# Altium PCB NC1-1B-BASIS.PcbDoc (part 3 of 3)
Units mm, origin at the board's own origin, x right, y up, seen from the top; angles counter-clockwise.
Board outline 78 x 78 mm, 4 copper layers (Top Layer, Mid 1 (GND), Mid 2 (PWR), Bottom Layer), stack 1.586 mm thick; 290 components, 134 nets, 819 pads, 380 vias.
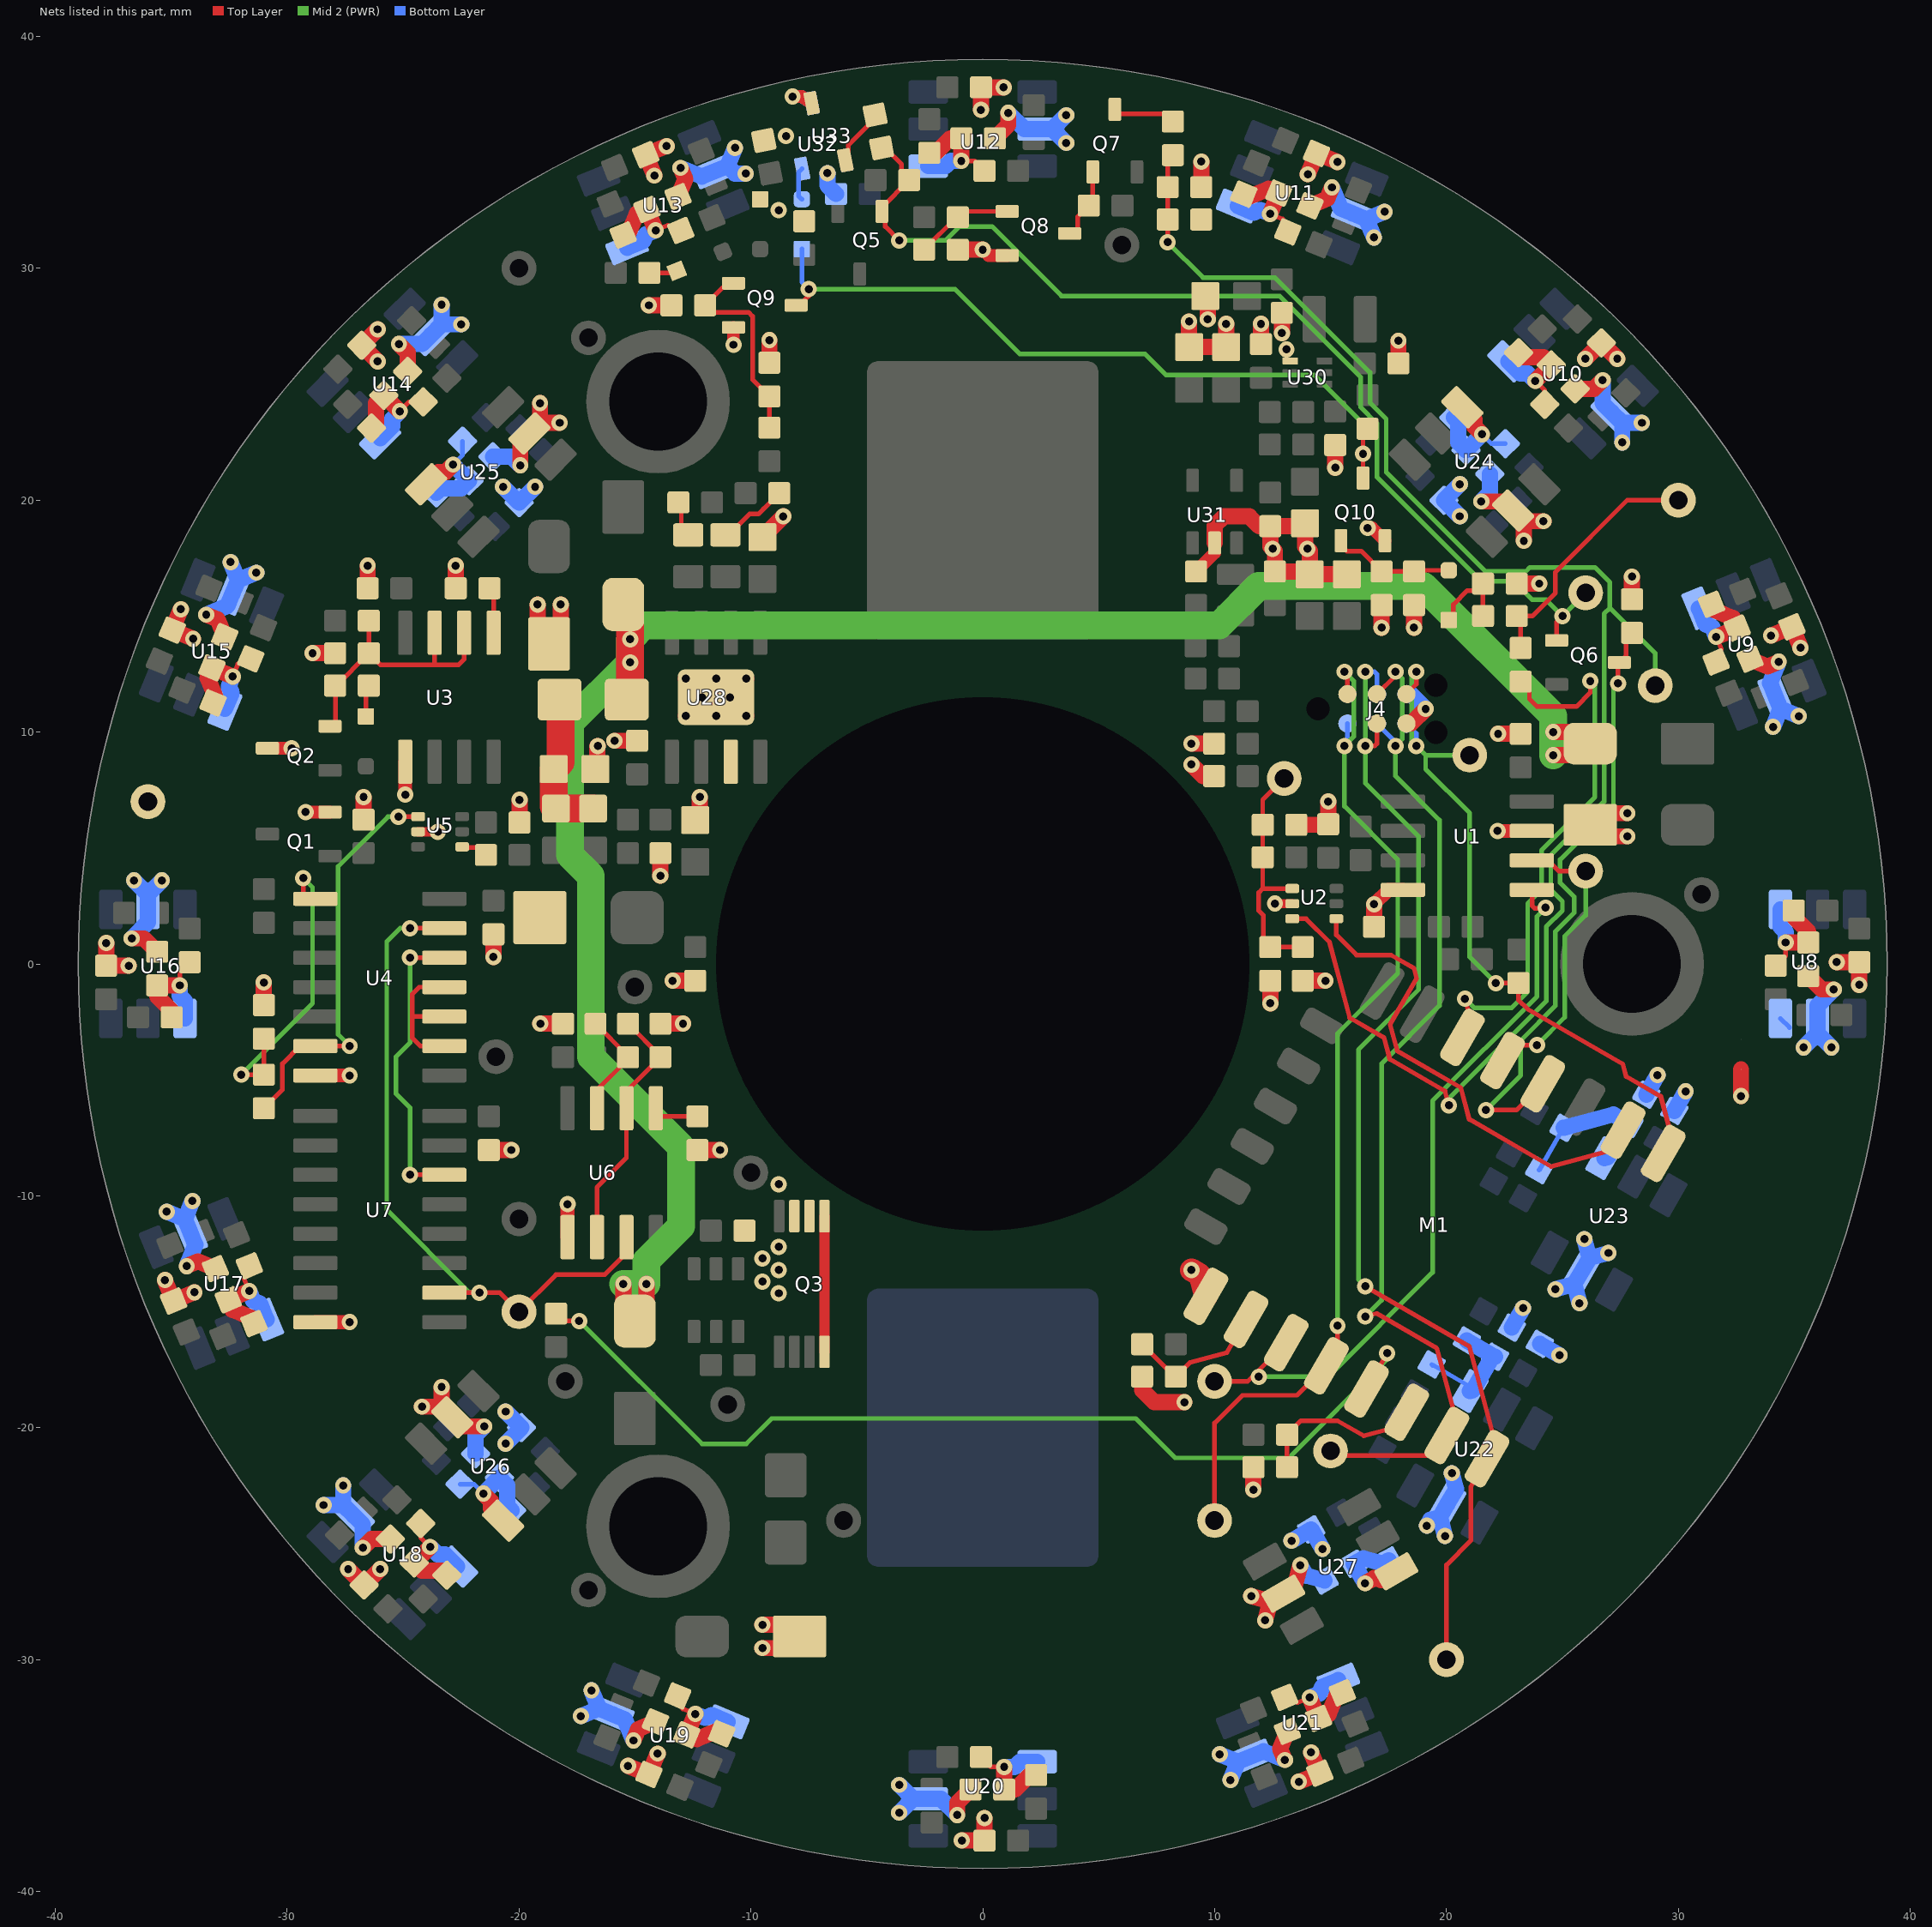
[diagram p5: the nets of this part, all layers, seen from the top]

## Via types
v1: diameter 0.7, hole 0.35, Top Layer to Bottom Layer, tented both sides, 372 vias
v2: diameter 0.7, hole 0.35, Top Layer to Bottom Layer, 8 vias

## Nets (pads, with @x,y where several pads share a name; then routed paths per layer and width w, separated by ;. In a path a pad name is that pad's centre, name@x,y a point inside that pad or via, vN(x,y) a via of type N, cw(c..) or ccw(c..) an arc to the next point about the centre after c; other vN are vias at no path point) (continued)
FS_PULSE: TP12.1 U4.13 U6.3 U7.10 | length 29.7
  Top Layer w0.2: v1(-24.7,1.54) U4.13@-23.22,1.54 ; U7.10@-23.22,-14.175 v1(-21.7,-14.175) -20.825,-14.175 TP12.1@-20,-15 -18.4,-13.4 -16.3,-13.4 -15.365,-12.465 U6.3@-15.365,-11.78
  Mid 2 (PWR) w0.2: v1(-24.7,1.54) -25.126,1.54 -25.7,0.966 -25.7,-10.6 -22.125,-14.175 v1(-21.7,-14.175)
FS_RESET/: U4.12 U7.14 | length 12.8
  Top Layer w0.2: v1(-24.7,-9.095) U7.14@-23.22,-9.095 ; v1(-24.7,0.27) U4.12@-23.22,0.27
  Mid 2 (PWR) w0.2: v1(-24.7,-9.095) -24.7,-6.2 -25.3,-5.6 -25.3,-4 -24.7,-3.4 v1(-24.7,0.27)
GND: C1.2 C2.2 C3.2 C4.2 C5.2 C6.2 C7.2 C8.2 C9.2 C10.2 C11.2 C12.2 C13.2 C14.2 C15.2 C16.2 C17.2 C18.2 C19.2 C20.2 C21.2 C22.2 C23.2 C24.2 C25.2 C26.2 C27.2 C28.2 C29.2 C30.2 C31.2 C32.2 C33.2 C34.2 C35.2 C36.2 C37.2 C38.2 C39.2 C40.2 C41.2 C42.2 C43.2 C44.2 C45.2 C46.2 C47.2 C48.2 C49.2 C50.2 C51.2 C52.2 C53.2 C54.2 C55.2 C56.2 C59.2 C60.1 C61.1 C63.1 C64.2 C65.2 C66.2 C67.1 C68.1 C69.2 C70.2 C71.2 C72.2 C73.2 C74.2 C76.2 D5.2 D8.2 D9.2 D10.2 D12.2 J4.5 J5.2 M1.15 Q1.2 Q2.3 Q3.2 Q3.3 Q8.2 Q9.2 Q10.2 R4.2 R5.2 R10.2 R11.2 R12.2 R14.2 R15.2 R22.1 R89.2 R90.2 R91.2 R92.2 R97.1 R98.2 R100.2 R103.2 R106.2 R107.2 R109.2 R110.2 R111.2 TP22.1 U1.4 U1.7 U2.2 U3.1@-24.905,8.72 U4.7 U5.2 U6.1@-17.905,-11.78 U7.8 U8.5 U8.6 U9.5 U10.5 U11.5 U12.5 U13.5 U14.5 U15.5 U16.5 U17.5 U18.5 U19.5 U20.5 U21.5 U22.5 U23.5 U24.5 U25.5 U26.5 U27.5 U28.3 U28.EP U30.4 U31.2 U32.3 U33.3 | length 242.7
  Top Layer w0.4: U5.2@-24.35,5.7 v1(-23.5,5.7) ; v1(12.6,2.6) U2.2@13.35,2.6
  Top Layer w0.55: Q2.3@-30.85,9.3 v1(-29.8,9.3) ; v1(-29.2,6.55) Q1.2@-28.15,6.55 ; v1(-10.75,26.7) Q9.2@-10.75,27.45 ; v1(-8.2,37.4) -7.799,37.4 U32.3@-7.384,37.123 ; v1(0,30.8) 0.25,30.55 Q8.2@1.05,30.55 ; R98.2@9.2,16.925 10,17.725 U31.2@10,18.15 ; v1(16.6,18.8) 16.8,18.8 Q10.2@17.35,18.25
  Top Layer w0.6: U7.8@-28.78,-15.445 v1(-27.3,-15.445) ; U4.7@-28.78,-4.81 v1(-27.3,-4.81) ; v1(-24.905,7.3) U3.1@-24.905,8.72 ; U6.1@-17.905,-11.78 v1(-17.905,-10.36) ; v1(16.875,2.575) 17.495,3.195 U1.4@18.12,3.195 ; v1(22.2,5.735) U1.7@23.68,5.735
  Top Layer w0.7: v1(-37.8,0.9) C30.2@-37.8,-0.075 v1(-36.825,-0.075) ; v1(-36.7,1.1) -36.175,1.1 C31.2@-35.6,0.525 ; v1(-35.267,-13.634) C32.2@-34.894,-14.535 v1(-33.993,-14.162) ; v1(-34.578,15.297) C28.2@-34.951,14.396 v1(-34.051,14.023) ; v1(-34.327,-13.028) -33.842,-12.827 C33.2@-33.091,-13.139 ; v1(-33.485,15.061) -33,14.86 C29.2@-32.689,14.109 ; C6.2@-31,-1.775 v1(-31,-0.8) ; v1(-28.9,13.4) C9.2@-27.925,13.4 ; v1(-27.365,-26.092) C34.2@-26.676,-26.782 v1(-25.986,-26.092) ; v1(-26.729,-25.173) -26.357,-24.802 C35.2@-25.544,-24.802 ; R22.1@-26.7,6.225 v1(-26.7,7.2) ; C4.2@-26.525,16.2 v1(-26.525,17.175) ; v1(-26.092,25.986) C26.2@-26.782,26.676 v1(-26.092,27.365) ; v1(-25.173,26.729) -24.802,26.357 C27.2@-24.802,25.544 ; v1(-24.183,-19.092) U26.5@-23.335,-19.092 ; v1(-23.335,-18.243) U26.5@-23.335,-19.092 ; C5.2@-22.725,16.2 v1(-22.725,17.175) ; v1(-21.496,-19.94) -22.486,-19.94 U26.5@-22.875,-19.552 U26.5@-23.335,-19.092 ; C13.2@-21.3,-8.025 v1(-20.325,-8.025) ; v1(-21.1,0.3) C7.2@-21.1,1.275 ; C8.2@-19.975,6.1 v1(-19.975,7.075) ; v1(-19.94,21.496) -19.94,22.486 U25.5@-19.092,23.335 ; v1(-19.2,15.5) -19.2,14.3 D9.2@-18.7,13.8 -18.2,14.3 v1(-18.2,15.5) ; v1(-19.092,24.183) U25.5@-19.092,23.335 ; v1(-19.075,-2.575) C12.2@-18.1,-2.575 ; v1(-18.243,23.335) U25.5@-19.092,23.335 ; C54.2@-16.7,8.4 -16.627,8.473 -16.627,9.373 v1(-16.6,9.4) ; v1(-15.875,9.625) R90.2@-14.9,9.625 ; v1(-15.297,-34.578) C36.2@-14.396,-34.951 v1(-14.023,-34.051) ; v1(-15.061,-33.485) -14.86,-33 C37.2@-14.109,-32.689 ; v1(-14.4,28.4) C74.2@-13.425,28.4 ; v1(-14.162,33.993) C24.2@-14.535,34.894 v1(-13.634,35.267) ; C10.2@-13.9,-2.575 v1(-12.925,-2.575) ; v1(-13.9,3.8) R91.2@-13.9,4.775 ; v1(-13.375,-0.725) R89.2@-12.4,-0.725 ; C25.2@-13.139,33.091 -12.827,33.842 v1(-13.028,34.327) ; v2(-12.8,10.7) U28.EP@-12,11.5 ; v2(-12.8,12.3) U28.EP@-12,11.5 ; C56.2@-12.4,6.2 -12.2,6.4 v1(-12.2,7.2) ; C11.2@-12.3,-8.025 v1(-11.325,-8.025) ; v2(-11.5,10.7) U28.EP@-11.5,11.5 ; v2(-11.5,12.3) U28.EP@-11.5,11.5 ; v2(-10.2,10.7) U28.EP@-11,11.5 ; v2(-10.2,12.3) U28.EP@-11,11.5 ; v1(-9.5,-29.5) -8.4,-29.5 D10.2@-7.9,-29 -8.4,-28.5 v1(-9.5,-28.5) ; C55.2@-9.5,18.4 v1(-8.6,19.3) ; R109.2@-9.2,25.925 v1(-9.2,26.9) ; v1(-1.1,-36.7) -1.1,-36.175 C39.2@-0.525,-35.6 ; R106.2@-1.075,30.8 v1(0,30.8) ; v1(-0.9,-37.8) C38.2@0.075,-37.8 v1(0.075,-36.825) ; v1(-0.075,36.825) C22.2@-0.075,37.8 v1(0.9,37.8) ; C23.2@0.525,35.6 1.1,36.175 v1(1.1,36.7) ; R4.2@6.875,-17.8 6.875,-18.375 7.4,-18.9 v1(8.7,-18.9) ; v1(8.9,27.7) C64.2@8.9,26.6 C65.2@10.5,26.6 v1(10.5,27.6) ; v1(9,8.6) 9.5,8.1 R11.2@9.975,8.1 ; v1(9,9.5) R12.2@9.975,9.5 ; R107.2@9.425,33.5 v1(9.425,34.6) ; C59.2@9.6,28.8 9.7,28.7 v1(9.7,27.8) ; U31.2@10,18.15 10,18.9 10.4,19.3 11.5,19.3 11.925,18.875 C67.1@12.4,18.875 ; v1(11.582,-27.261) U27.5@12.402,-27.481 ; v1(11.675,-22.675) R5.2@11.675,-21.7 ; C63.1@12,26.725 v1(12,27.6) ; v1(12.182,-28.3) U27.5@12.402,-27.481 ; v1(12.4,-1.7) R15.2@12.4,-0.725 ; v1(12.9,27.2) C60.1@12.9,28.075 ; v1(13.028,-34.327) 12.827,-33.842 C41.2@13.139,-33.091 ; C3.2@13.525,6 C2.2@14.875,6 ; v1(13.634,-35.267) C40.2@14.535,-34.894 v1(14.162,-33.993) ; v1(13.697,-25.925) 13.441,-26.881 U27.5@12.965,-27.156 U27.5@12.402,-27.481 ; R14.2@13.8,-0.725 v1(14.775,-0.725) ; v1(14.023,34.051) C20.2@14.396,34.951 v1(15.297,34.578) ; C21.2@14.109,32.689 14.86,33 v1(15.061,33.485) ; C2.2@14.9,6.025 v1(14.9,7) ; v1(15.2,21.4) R97.1@15.2,22.375 ; C70.2@15.7,16.8 C69.2@14.1,16.8 ; R10.2@16.875,1.6 v1(16.875,2.575) ; v1(17.2,14.5) C76.2@17.2,15.475 ; C61.1@17.925,25.9 v1(17.925,26.875) ; J4.5@18.27,10.365 18.465,10.365 v1(19.1,11) ; v1(18.6,14.5) R111.2@18.6,15.475 ; v1(21.496,19.94) 22.486,19.94 U24.5@22.875,19.552 U24.5@23.335,19.092 ; v1(22.225,9.925) C1.2@23.2,9.925 ; R110.2@23.025,16.4 v1(24,16.4) ; v1(23.335,18.243) U24.5@23.335,19.092 ; v1(24.183,19.092) U24.5@23.335,19.092 ; C19.2@25.544,24.802 26.357,24.802 v1(26.729,25.173) ; v1(25.986,26.092) C18.2@26.676,26.782 v1(27.365,26.092) ; v1(27.8,5.5) 26.7,5.5 D8.2@26.2,6 26.7,6.5 v1(27.8,6.5) ; R103.2@28,15.725 v1(28,16.7) ; v1(32.7,-5.7) J5.2@32.7,-4.55 ; C17.2@33.091,13.139 33.842,12.827 v1(34.327,13.028) ; v1(33.993,14.162) C16.2@34.894,14.535 v1(35.267,13.634) ; C15.2@35.6,-0.525 36.175,-1.1 v1(36.7,-1.1) ; v1(36.825,0.075) C14.2@37.8,0.075 v1(37.8,-0.9) ; U28.EP@-12,11.5 U28.EP@-11.5,11.5 ; U28.EP@-11.5,11.5 U28.EP@-11,11.5 ; C67.1@12.4,18.875 12.4,18 v1(12.5,17.9) 12.6,17.8 C68.1@12.6,16.925 13.975,16.925 C69.2@14.1,16.8 ; C67.1@12.4,18.875 12.725,18.875 13.775,18.875 C66.2@13.9,19 13.9,18 v1(14,17.9) 14.1,17.8 C69.2@14.1,16.8
  Top Layer w1: v1(9,-13.2) 9.379,-13.419 M1.15@9.623,-14.332
  Bottom Layer w0.2: U8.6@34.4,-2.35 U8.6@34.792,-2.742
  Bottom Layer w0.55: v1(-8.2,37.4) -7.799,37.4 U33.3@-7.384,37.123
  Bottom Layer w0.7: v1(-36.7,1.1) -36,1.8 U16.5@-36,2.35 U16.5@-36,3 ; v1(-36.6,3.6) U16.5@-36,3 ; v1(-35.4,3.6) U16.5@-36,3 ; v1(-35.192,-10.68) U17.5@-34.408,-11.005 ; v1(-34.327,-13.028) -33.949,-12.114 U17.5@-34.159,-11.605 U17.5@-34.408,-11.005 ; v1(-34.083,-10.221) U17.5@-34.408,-11.005 ; v1(-33.485,15.061) -32.571,15.44 U15.5@-32.36,15.948 U15.5@-32.112,16.548 ; v1(-32.436,17.332) U15.5@-32.112,16.548 ; v1(-31.328,16.873) U15.5@-32.112,16.548 ; v1(-28.426,-23.335) U18.5@-27.577,-23.335 ; v1(-27.577,-22.486) U18.5@-27.577,-23.335 ; v1(-26.729,-25.173) -26.729,-24.183 U18.5@-27.118,-23.794 U18.5@-27.577,-23.335 ; v1(-25.173,26.729) -24.183,26.729 U14.5@-23.794,27.118 U14.5@-23.335,27.577 ; v1(-23.335,28.426) U14.5@-23.335,27.577 ; v1(-22.486,27.577) U14.5@-23.335,27.577 ; C51.2@-21.867,-21.125 -21.867,-20.312 v1(-21.496,-19.94) ; C49.2@-21.125,21.867 -20.312,21.867 v1(-19.94,21.496) ; v1(-20.683,20.577) C48.2@-19.993,19.887 v1(-19.304,20.577) ; v1(-20.577,-20.683) C50.2@-19.887,-19.993 v1(-20.577,-19.304) ; v1(-17.332,-32.436) U19.5@-16.548,-32.112 ; v1(-16.873,-31.328) U19.5@-16.548,-32.112 ; v1(-15.061,-33.485) -15.44,-32.571 U19.5@-15.948,-32.36 U19.5@-16.548,-32.112 ; v1(-13.028,34.327) -12.114,33.949 U13.5@-11.605,34.159 U13.5@-11.005,34.408 ; v1(-10.68,35.192) U13.5@-11.005,34.408 ; v1(-10.221,34.084) -10.681,34.084 U13.5@-11.005,34.408 ; v1(-6.7,34.1) -6.7,33.575 C73.2@-6.325,33.2 ; v1(-3.6,-36.6) U20.5@-3,-36 ; v1(-3.6,-35.4) U20.5@-3,-36 ; v1(-1.1,-36.7) -1.8,-36 U20.5@-2.35,-36 U20.5@-3,-36 ; v1(1.1,36.7) 1.8,36 U12.5@2.35,36 U12.5@3,36 ; v1(3.6,35.4) U12.5@3,36 ; v1(3.6,36.6) U12.5@3,36 ; v1(10.221,-34.083) U21.5@11.005,-34.408 ; v1(10.68,-35.192) U21.5@11.005,-34.408 ; v1(13.028,-34.327) 12.114,-33.949 U21.5@11.605,-34.159 U21.5@11.005,-34.408 ; v1(13.321,-24.872) C53.2@14.165,-24.384 v1(14.652,-25.229) ; v1(13.697,-25.925) 13.96,-26.379 C52.2@14.745,-26.59 ; v1(15.061,33.485) 15.44,32.571 U11.5@15.948,32.36 U11.5@16.548,32.112 ; v1(16.873,31.328) U11.5@16.548,32.112 ; v1(17.332,32.436) U11.5@16.548,32.112 ; J4.5@18.27,11.635 18.465,11.635 v1(19.1,11) ; v1(19.155,-24.223) 19.305,-23.963 U22.5@19.715,-23.853 ; v1(19.934,-24.673) 19.77,-24.058 U22.5@19.715,-23.853 ; v1(20.232,-21.958) 20.415,-22.641 U22.5@20.04,-23.29 U22.5@19.715,-23.853 ; v1(20.577,19.304) C46.2@19.887,19.993 v1(20.577,20.683) ; v1(21.496,19.94) 21.867,20.312 C47.2@21.867,21.125 ; C43.2@22.815,-15.684 v1(23.302,-14.839) ; C42.2@24.027,-16.384 v1(24.872,-16.871) ; v1(24.695,-14.027) U23.5@25.515,-13.807 ; v1(25.734,-14.627) U23.5@25.515,-13.807 ; v1(25.945,-11.862) U23.5@26.165,-12.681 ; v1(26.729,25.173) 26.729,24.183 U10.5@27.118,23.794 U10.5@27.577,23.335 ; v1(26.984,-12.462) U23.5@26.165,-12.681 ; v1(27.577,22.486) U10.5@27.577,23.335 ; v1(28.426,23.335) U10.5@27.577,23.335 ; C45.2@28.615,-5.638 v1(29.102,-4.793) ; C44.2@29.827,-6.338 v1(30.315,-5.493) ; v1(34.083,10.221) U9.5@34.408,11.005 ; v1(34.327,13.028) 33.948,12.114 U9.5@34.159,11.605 U9.5@34.408,11.005 ; v1(35.192,10.68) U9.5@34.408,11.005 ; v1(35.4,-3.6) U8.5@36,-3 ; v1(36.6,-3.6) U8.5@36,-3 ; v1(36.7,-1.1) 36,-1.8 U8.5@36,-2.35 U8.5@36,-3 ; U23.5@25.515,-13.807 U23.5@25.84,-13.244 U23.5@26.165,-12.681
  other v1: -8.8,-14.2 -9.5,-13.7 -8.8,-13.2 -9.5,-12.7 -8.8,-12.2 -8.8,-9.5 13.1,26.5 -8.8,32.5 -8.485,35.701
  other v2: -12.1,11.5 -10.9,11.5
GPIO0: J4.2 M1.18 TP2.1 | length 44.2
  Top Layer w0.2: TP2.1@10,-24 10,-19.8 11.2,-18.6 13.551,-18.6 M1.18@14.82,-17.332 15.3,-16.5 v1(15.3,-15.6) ; v1(15.6,12.6) 15.73,12.47 J4.2@15.73,11.635
  Mid 2 (PWR) w0.2: v1(15.3,-15.6) 15.3,-3 17.9,-0.4 17.9,4.5 15.6,6.8 v1(15.6,9.4) 16,9.8 16,12.2 v1(15.6,12.6)
  Bottom Layer w0.2: v1@15.73,9.67 J4.2@15.73,10.365
GPIO5: M1.20 R2.2 R5.1 | length 7.4
  Top Layer w0.2: R5.1@13.125,-21.7 R2.2@13.125,-20.3 13.725,-19.7 15.3,-19.7 16.43,-20.353 17.926,-19.952 M1.20@18.284,-19.332
GPIO15: M1.16 R1.2 R4.1 | length 6.2
  Top Layer w0.2: R1.2@6.875,-16.4 8.275,-17.8 R4.1@8.325,-17.8 8.941,-17.184 10.532,-16.757 M1.16@11.355,-15.332
HALL: M1.4 Q6.3 R103.1 | length 26.6
  Top Layer w0.2: v1(21.7,-6.3) 23.02,-6.3 M1.4@24.152,-5.168 ; v1(27.4,12.1) 27.4,12.95 Q6.3@27.45,13 27.751,13.301 27.751,14.026 R103.1@28,14.275
  Mid 2 (PWR) w0.2: v1(21.7,-6.3) 23.2,-4.8 23.2,-3.3 24.7,-1.8 24.7,1.4 25.5,2.2 25.5,2.9 24.9,3.5 24.9,4.5 27.2,6.8 27.2,11.9 v1(27.4,12.1)
HALL/: Q5.1@-4.35,32.45 Q6.1@24.75,13.95 R95.2 R96.2 TP23.1 | length 45.8
  Top Layer w0.2: R96.2@-4.359,35.189 -4.213,35.189 -3.5,34.476 -3.5,34.125 R95.2@-3.175,33.8 -4.35,32.625 Q5.1@-4.35,32.45 -4.2,32.3 -4.2,31.8 v1(-3.6,31.2) ; Q6.1@24.75,13.95 24.75,14.75 v1(25,15)
  Mid 2 (PWR) w0.2: v1(-3.6,31.2) -1.6,31.2 -1,31.8 0.4,31.8 3.4,28.8 12.8,28.8 16.3,25.3 16.3,24 17,23.3 17,21 21.5,16.5 22.9,16.5 23.7,15.7 24.3,15.7 v1(25,15) TP23.1@26,16
KILL: C75.1 R9.2 TP5.1 | length 11
  Top Layer w0.2: R9.2@23.2,13.625 23.2,14.825 C75.1@23.025,15 23.7,15 24.7,16 24.7,16.9 27.8,20 TP5.1@30,20
MON: M1.2 U2.4 | length 20.8
  Top Layer w0.2: U2.4@15.25,1.95 15.25,1.25 16.118,0.382 17.612,0.382 18.596,-0.187 18.712,-0.62 17.567,-2.604 17.875,-3.755 20.615,-5.337 20.979,-6.695 24.509,-8.733 27.116,-8.034 M1.2@27.616,-7.168
NetC5_1: C5.1 U3.5 | length 2
  Top Layer w0.2: C5.1@-21.275,16.2 -21.095,16.02 U3.5@-21.095,14.28
NetC6_1: C6.1 R21.2 U4.1@-28.78,2.81 | length 13.7
  Top Layer w0.2: v1(-31.975,-4.775) R21.2@-31,-4.775 C6.1@-31,-3.225 ; v1(-29.3,3.7) -29.3,3 -29.11,2.81 U4.1@-28.78,2.81
  Mid 2 (PWR) w0.2: v1(-31.975,-4.775) -28.9,-1.7 -28.9,3.3 v1(-29.3,3.7)
NetC9_1: C9.1 Q2.2 R19.2 R20.2 U3.6 U3.7 | length 12.3
  Top Layer w0.2: Q2.2@-28.15,10.25 -28.088,10.25 -27.913,10.425 -27.913,11.988 R20.2@-27.925,12 ; R20.2@-27.925,11.95 C9.1@-26.475,13.4 ; R19.2@-26.475,14.8 C9.1@-26.475,13.4 ; U3.7@-23.635,14.28 -23.635,12.9 ; U3.6@-22.365,14.28 -22.365,13.135 -22.6,12.9 -23.635,12.9 ; C9.1@-26.475,13.4 -25.975,12.9 -23.635,12.9
NetC10_1: C10.1 R25.2 U6.2 U6.6 | length 10.9
  Top Layer w0.2: U6.2@-16.635,-11.78 -16.635,-9.635 -15.365,-8.365 U6.6@-15.365,-6.22 -15.365,-5.49 C10.1@-13.9,-4.025 -13.9,-3.975 R25.2@-15.3,-2.575
NetC11_1: C11.1 U6.5 | length 2
  Top Layer w0.2: U6.5@-14.095,-6.22 -14.095,-6.37 -13.89,-6.575 C11.1@-12.3,-6.575
NetC15_1: C15.1 R26.2 R27.1 U8.1@34.4,2.35 | length 5.3
  Top Layer w0.2: R27.1@34.2,-0.075 34.625,0.35 v1(34.625,0.925)
  Top Layer w0.7: v1(34.625,0.925) C15.1@35.6,0.925 35.6,1.4 34.975,2.025 R26.2@34.975,2.3
  Bottom Layer w0.7: U8.1@34.4,2.35 34.4,1.6 34.625,1.375 v1(34.625,0.925)
NetC17_1: C17.1 R29.2 R30.1 U9.1@30.882,15.335 | length 5.3
  Top Layer w0.2: R30.1@31.625,13.018 31.855,13.574 v1(31.635,14.105)
  Top Layer w0.7: R29.2@31.433,15.509 31.538,15.255 32.354,14.917 C17.1@32.536,14.478 v1(31.635,14.105)
  Bottom Layer w0.7: U9.1@30.882,15.335 31.169,14.643 31.463,14.521 v1(31.635,14.105)
NetC19_1: C19.1 R32.2 R33.1 U10.1@22.663,25.986 | length 5.3
  Top Layer w0.2: v1(23.829,25.138) 24.236,24.731 R33.1@24.236,24.13
  Top Layer w0.7: R32.2@23.105,26.357 23.299,26.163 24.183,26.163 C19.1@24.519,25.827 v1(23.829,25.138)
  Bottom Layer w0.7: U10.1@22.663,25.986 23.193,25.456 23.511,25.456 v1(23.829,25.138)
NetC21_1: C21.1 R35.2 R36.1 U11.1@10.993,32.681 | length 5.3
  Top Layer w0.2: v1(12.396,32.343) 12.927,32.123 R36.1@13.157,31.568
  Top Layer w0.7: R35.2@11.259,33.193 11.513,33.088 12.33,33.426 C21.1@12.769,33.244 v1(12.396,32.343)
  Bottom Layer w0.7: U11.1@10.993,32.681 11.686,32.394 11.98,32.516 v1(12.396,32.343)
NetC23_1: C23.1 R38.2 R39.1 U12.1@-2.35,34.4 | length 5.3
  Top Layer w0.2: v1(-0.925,34.625) -0.35,34.625 R39.1@0.075,34.2
  Top Layer w0.7: R38.2@-2.3,34.975 -2.025,34.975 -1.4,35.6 C23.1@-0.925,35.6 v1(-0.925,34.625)
  Bottom Layer w0.7: U12.1@-2.35,34.4 -1.6,34.4 -1.375,34.625 v1(-0.925,34.625)